# Altium PCB vme64x6U_ctrlc.PcbDoc (part 12 of 18) (continued)
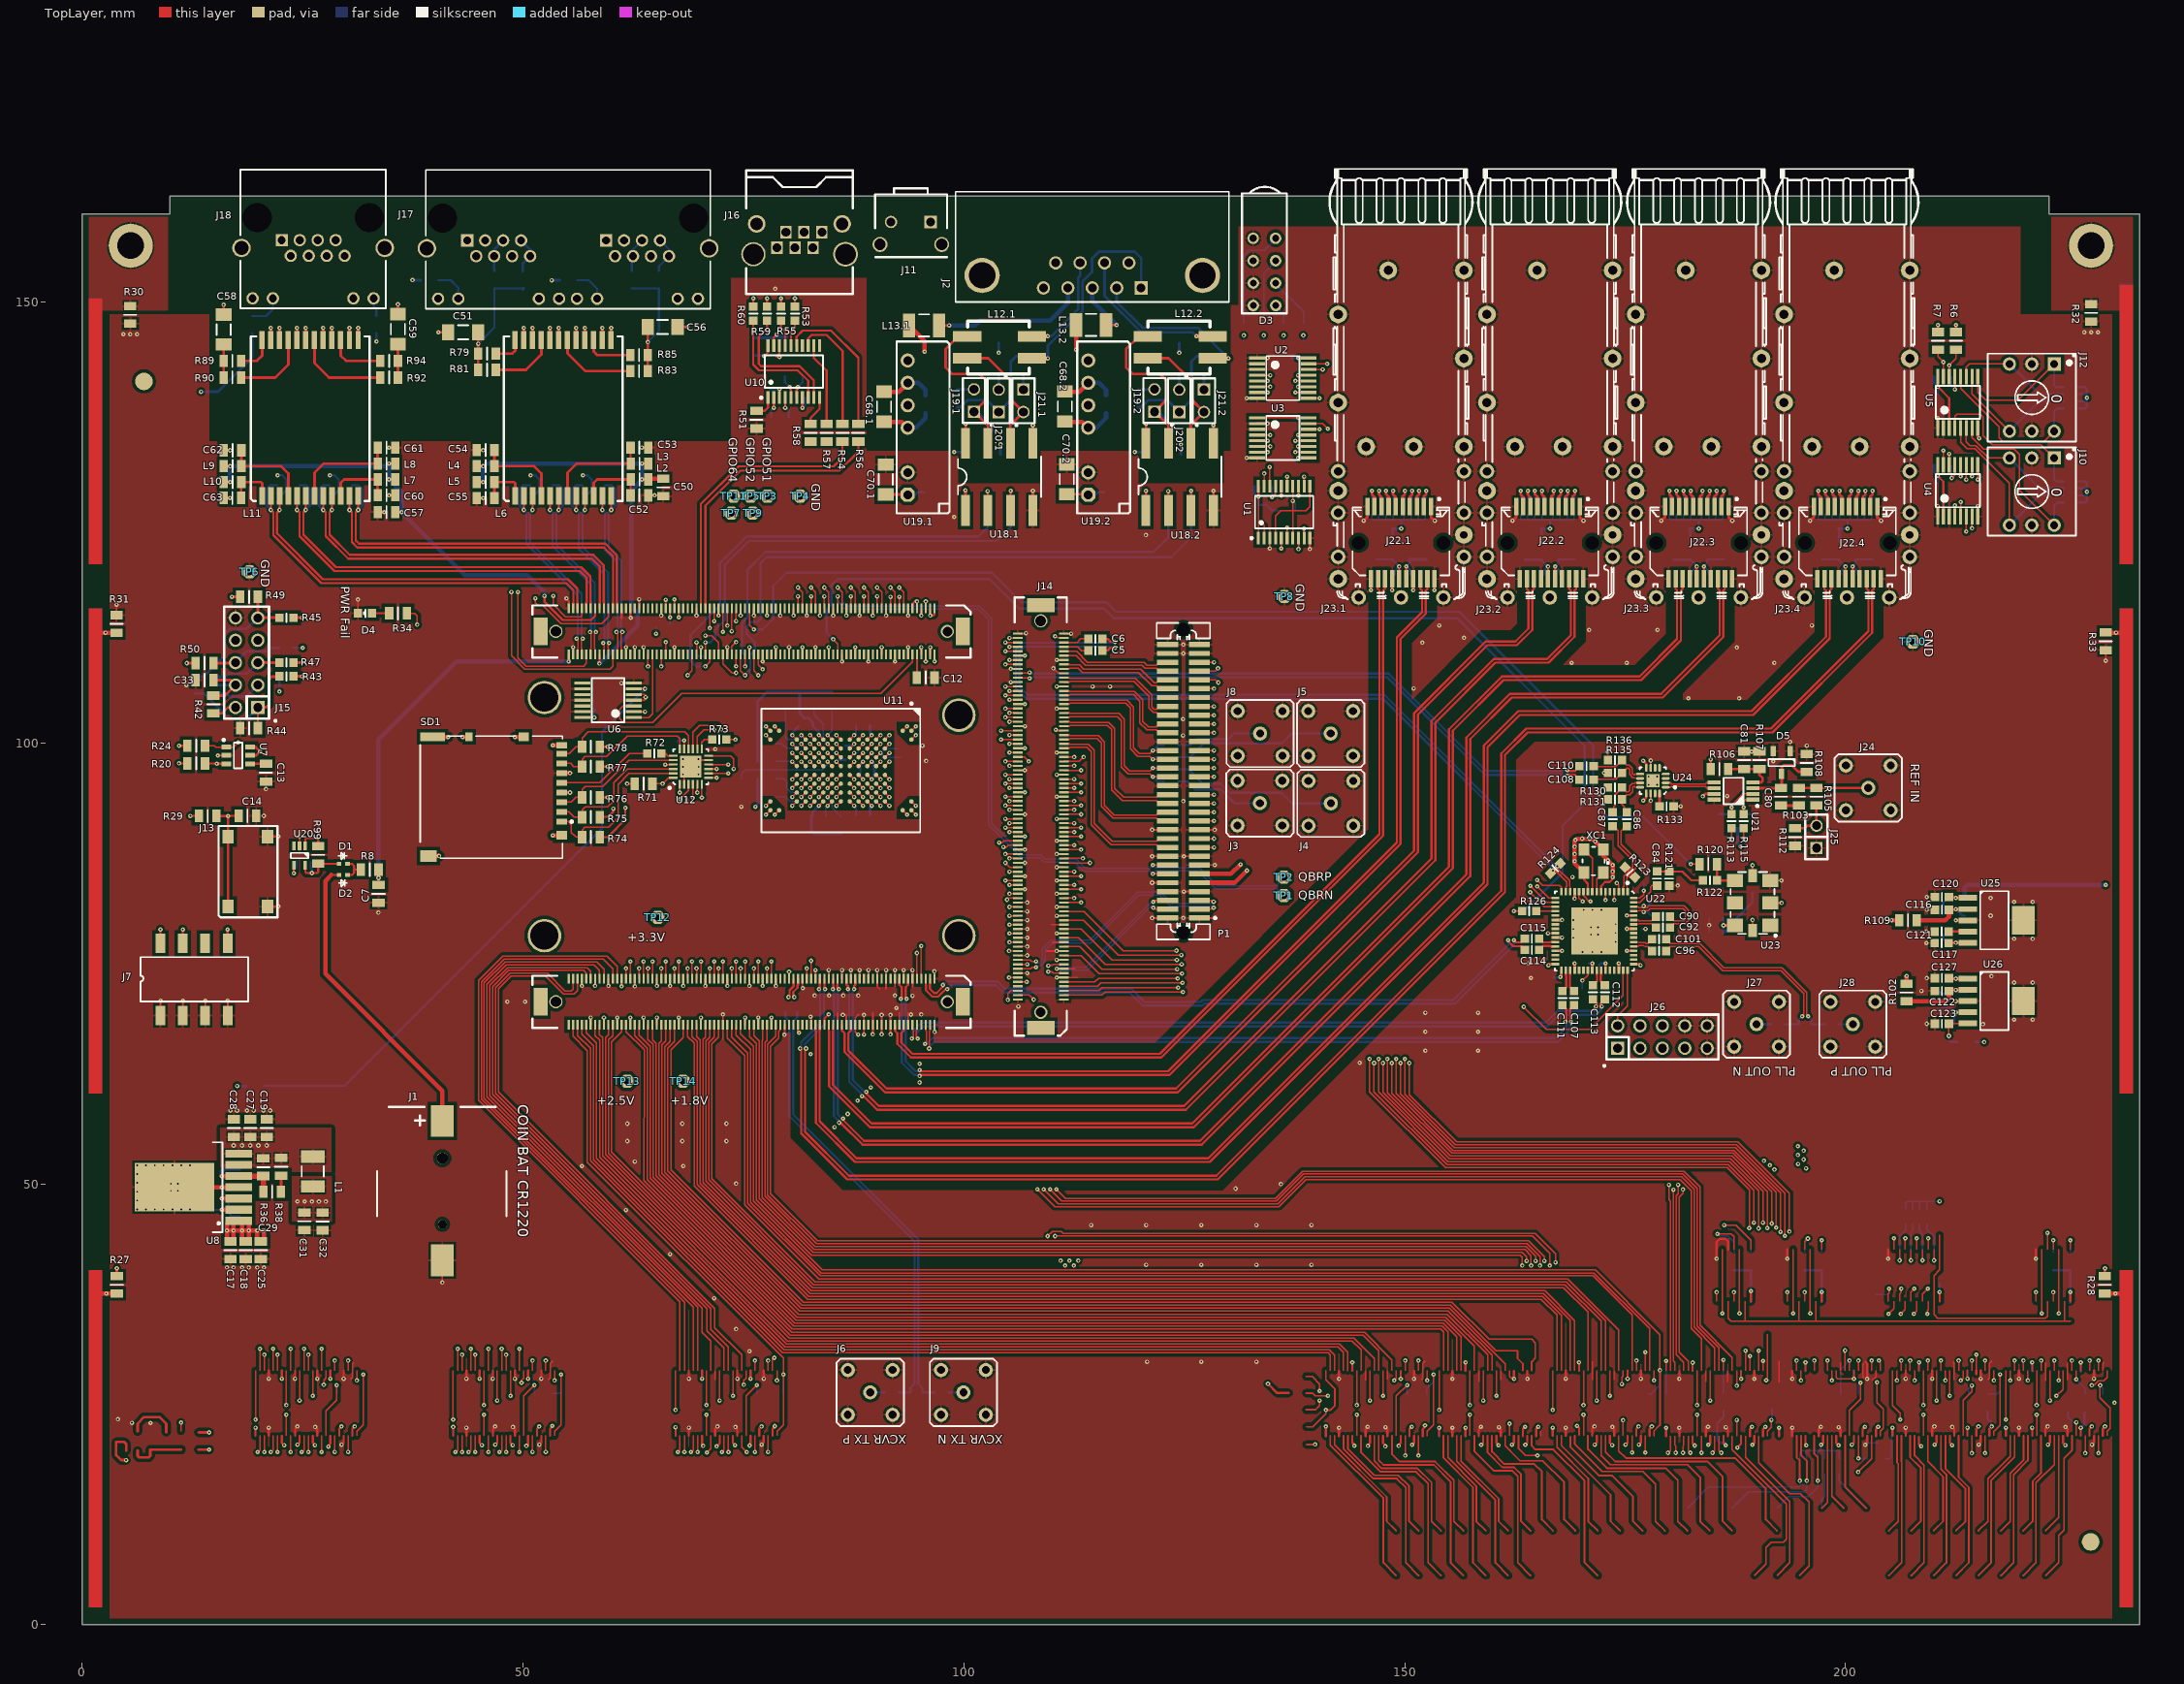
[diagram p0: TopLayer view]
## Components (designator, comment, footprint, x,y, rotation, side; value= is the part's Value field where it differs from the comment) (continued)
U19.2 "AM1D-0505S-N" SIP-7 114.099,128.135 r90 top (schematic designator U19)
U20 "TPS79733DCK" SOT65P210X110-5N 24.65,87.225 r270 top
U21 "ADCMP553BRMZ" SOP65P490X110-8N 187.3,94.55 r180 top
U22 "Si5395A-A-GM" QFN50P900X900X100-65N-S530 171.525,78.675 r270 top value=Si5395A
U23 "570CBC000306DG" FP-57x-MFG 189.45,81.85 r180 top value=Si570
U24 "ADCLK925BCPZ" QFN50P300X300X100-17N-S150 178.15,95.725 r180 top
U25 "REG104GA-3.3" SOT223 216.875,79.883 r0 top
U26 "REG104GA-A" SOT223 216.875,70.725 r0 top
XC1 "CX3225SB48000D0WPSC1" SMD3225_4PIN_XTAL 171.425,86.6 r90 top value="48 MHz"

## Footprints (in the part's own frame and the unit in brackets; to place one, negate y for a bottom-side part, rotate by r counter-clockwise, add the part's x,y. Pads: shape width x height; smd on the part's side, far side on the other; paste and mask are expansions set on the pad)
AMPH-RJHSE-5381-02_V [mm]
  rect 1.4x1.4 hole 0.9 mask+0.102: 1A(3.56,-0.89) 1B(19.31,-0.89)
  round 1.4 hole 0.9 mask+0.102: 2A(2.54,0.89) 2B(18.29,0.89) 3A(1.52,-0.89) 3B(17.27,-0.89) 4A(0.5,0.89) 4B(16.25,0.89) 5A(-0.52,-0.89) 5B(15.23,-0.89) 6A(-1.54,0.89) 6B(14.21,0.89) 7A(-2.56,-0.89) 7B(13.19,-0.89) 8A(-3.58,0.89) 8B(12.17,0.89) 9A(6.86,5.72) 9B(22.61,5.72) 10A(4.57,5.72) 10B(20.32,5.72) 11A(-4.57,5.72) 11B(11.18,5.72) 12A(-6.86,5.72) 12B(8.89,5.72)
  round 0 hole 3.3 unplated mask+0.102: MH1(-6.35,-3.43) MH2(22.1,-3.43)
  round 2.1 hole 1.6: S1(-8.13,0) S2(23.88,0)
  silkscreen extent -8.26,-8.89 24,6.86, body extent -9.87,-9.29 25.58,6.84, height 15.16
AMPH-RJHSE-5381_V [mm]
  rect 1.4x1.4 hole 0.9 mask+0.102: 1(3.56,-0.89)
  round 1.4 hole 0.9 mask+0.102: 2(2.54,0.89) 3(1.52,-0.89) 4(0.5,0.89) 5(-0.52,-0.89) 6(-1.54,0.89) 7(-2.56,-0.89) 8(-3.58,0.89) 9(6.86,5.72) 10(4.57,5.72) 11(-4.57,5.72) 12(-6.86,5.72)
  round 0 hole 3.3 unplated mask+0.102: MH1(-6.35,-3.43) MH2(6.35,-3.43)
  round 2.1 hole 1.6: S1(-8.13,0) S2(8.13,0)
  silkscreen extent -8.26,-8.89 8.26,6.86, body extent -8.42,-9.14 8.42,7.06, height 14.89
BAT_CR1220 [mm] "2 Contacts - Pitch 2.54mm - Single Row Straight Strip Male Header"
  round 1 hole 1: 0(-3.5,0)
  round 1.3 hole 1.3: 0(4,0)
  rect 3.54x2.6 smd: 1(8.23,0)
  rect 3.66x2.6 smd: 2(-7.57,0)
  silkscreen extent -2.54,-7.27 9.84,7.39, body extent -8.9,-7.37 9.9,7.37, height 6.03
BGA100C100P10X17_1400X1800X120 [mm] "BGA 100 ball for e*MMC"
  round 0.5 smd: A1(0,0) A2(1,0) A9(8,0) A10(9,0) B1(0,-1) B10(9,-1) D2(1,-3) D3(2,-3) D4(3,-3) D5(4,-3) D6(5,-3) D7(6,-3) D8(7,-3) D9(8,-3) E2(1,-4) E3(2,-4) E4(3,-4) E5(4,-4) E6(5,-4) E7(6,-4) E8(7,-4) E9(8,-4) F2(1,-5) F3(2,-5) F4(3,-5) F5(4,-5) F6(5,-5) F7(6,-5) F8(7,-5) F9(8,-5) G2(1,-6) G3(2,-6) G4(3,-6) G5(4,-6) G6(5,-6) G7(6,-6) G8(7,-6) G9(8,-6) H2(1,-7) H3(2,-7) H4(3,-7) H5(4,-7) H6(5,-7) H7(6,-7) H8(7,-7) H9(8,-7) J2(1,-8) J3(2,-8) J4(3,-8) J5(4,-8) J6(5,-8) J7(6,-8) J8(7,-8) J9(8,-8) K2(1,-9) K3(2,-9) K4(3,-9) K5(4,-9) K6(5,-9) K7(6,-9) K8(7,-9) K9(8,-9) L2(1,-10) L3(2,-10) L4(3,-10) L5(4,-10) L6(5,-10) L7(6,-10) L8(7,-10) L9(8,-10) M2(1,-11) M3(2,-11) M4(3,-11) M5(4,-11) M6(5,-11) M7(6,-11) M8(7,-11) M9(8,-11) N2(1,-12) N3(2,-12) N4(3,-12) N5(4,-12) N6(5,-12) N7(6,-12) N8(7,-12) N9(8,-12) P2(1,-13) P3(2,-13) P4(3,-13) P5(4,-13) P6(5,-13) P7(6,-13) P8(7,-13) P9(8,-13) T1(0,-15) T10(9,-15) U1(0,-16) U2(1,-16) U9(8,-16) U10(9,-16)
  silkscreen extent -3.22,-17 11.5,1
CAPC1608N [mm]
  rect 0.95x0.95 smd: 1(-0.8,0) 2(0.8,0)
  silkscreen extent 0,-0.48 0,0.48, body extent -0.87,-0.47 0.88,0.48, height 0.85
CAPC2012N [mm] "Chip Capacitor, Body 2.0x1.25mm (0805), IPC Medium Density"
  rect 0.95x1.4 smd: 1(-1,0) 2(1,0)
  silkscreen extent 0,-0.7 0,0.7, body extent -1.05,-0.67 1.05,0.68, height 0.9
CAPC3216N [mm] "Chip Capacitor, Body 3.2x1.6mm (1206), IPC Medium Density"
  rect 1.4x1.8 smd: 1(-1.7,0) 2(1.7,0)
  silkscreen extent -0.6,-0.8 0.6,0.8, body extent -1.7,-0.9 1.7,0.9, height 1.52
CAY16-J4 [mm]
  rect 0.9x0.45 smd: 1(0,0) 2(0,-0.8) 3(0,-1.6) 4(0,-2.4) 5(1.7,-2.4) 6(1.7,-1.6) 7(1.7,-0.8) 8(1.7,0)
  silkscreen extent 0.67,-2.8 1.02,0.4
DIPSW4-A6SN8 [mm]
  rect 2.2x1.1 smd: 1(0,0) 2(0,-2.54) 3(0,-5.08) 4(0,-7.62) 5(8.2,-7.62) 6(8.2,-5.08) 7(8.2,-2.54) 8(8.2,0)
  silkscreen extent 1.59,-9.95 6.63,2.25, body extent -0.55,-9.95 8.75,2.15, height 5.5
DRB-9MA [mm]
  rect 1.5x1.5 hole 1: 1(0,0)
  round 1.5 hole 1: 2(-2.77,0) 3(-5.54,0) 4(-8.31,0) 5(-11.08,0) 6(-1.385,2.84) 7(-4.155,2.84) 8(-6.925,2.84) 9(-9.695,2.84)
  round 4 hole 3: S1(-18.04,1.42) S2(6.96,1.42)
  silkscreen extent -21.05,-1.6 9.95,10.92, body extent -21.16,-1.77 10.15,17.03, height 12.55
FP-57x-MFG [mm]
  rect 1.8x1.5 smd paste+0 mask+0: 1(-2,2.54) 2(-2,0) 3(-2,-2.54) 4(2,-2.54) 5(2,0) 6(2,2.54)
  rect 1x1.5 smd paste+0 mask+0: 7(0,3.1) 8(0,-3.1)
  silkscreen extent -2.73,-3.5 2.5,3.82, body extent -2.25,-2.68 2.25,2.68, height 0.25
IND_3225_MURATA_LQH_N [mm] "SMD Inductor, EIA 1206, Metric 3225,  Body Width 1.55mm, Body Lenght 3.2mm, Height 2.5mm"
  rect 1.4x2.7 smd: 1(-1.7,0) 2(1.7,0)
  silkscreen extent -0.6,-1.25 0.6,1.25, body extent -1.75,-1.25 1.75,1.25, height 2.2
INDC2012N [mm] "Chip Inductor, EIA 0805, Metric 2012, Body 2.0x1.2mm, IPC Medium Density"
  rect 0.95x1.4 smd: 1(-1,0) 2(1,0)
  silkscreen extent 0,-0.7 0,0.7, body extent -1,-0.62 1,0.63, height 1.1
LED_H485C [mm] "Quad Led Holder, Led 1.8mm dia"
  round 1.3 hole 0.8: 1(3.82,-5.08) 2(1.28,-5.08) 3(3.825,-7.62) 4(1.285,-7.62) 5(3.83,-10.16) 6(1.29,-10.16) 7(3.835,-12.7) 8(1.295,-12.7)
  silkscreen extent 0,-13.6 5.1,0.76, body extent 0,-13.6 5.1,0, height 11.3
LEDC1608N [mm] "Chip Capacitor, Body 1.6x0.8mm (0603), IPC Medium Density"
  rect 0.95x0.95 smd: 1(-0.8,0) 2(0.8,0)
  silkscreen extent -0.1,-0.43 0.08,0.43, body extent -0.83,-0.35 0.83,0.38, height 0.68
LEMO_EPA.00.250.NTN [mm] "50 Ohm size 00 Coaxial Straight socket"
  round 1.6 hole 0.9: 1(0,0) 2(-2.54,2.54) 2(-2.54,-2.54) 2(2.54,2.54) 2(2.54,-2.54)
  silkscreen extent -3.81,-3.81 3.81,3.81, body extent -3.5,-3.5 3.5,3.5, height 14
Mercury_SA2p [mm]
  rect 3.1x1.6 smd: 0(4.2,50.95) 0(4.2,3.05)
  round 1.5 hole 1.1: 0(4.2,49.2) 0(14.8,48) 0(14.8,6)
  round 1.5 hole 1.2: 0(4.2,4.8) 0(59.2,48) 0(59.2,6)
  rect 1.6x3.1 smd: 0(13.05,48) 0(13.05,6) 0(60.95,48) 0(60.95,6)
  round 3.8 hole 3.2: 0(13.5,40.5) 0(13.5,15.5) 0(60.5,13.5) 0(60.5,40.5)
  rect 0.25x1.1 smd: A1(16.25,3.4) A2(16.25,8.6) A3(16.75,3.4) A4(16.75,8.6) A5(17.25,3.4) A6(17.25,8.6) A7(17.75,3.4) A8(17.75,8.6) A9(18.25,3.4) A10(18.25,8.6) A11(18.75,3.4) A12(18.75,8.6) A13(19.25,3.4) A14(19.25,8.6) A15(19.75,3.4) A16(19.75,8.6) A17(20.25,3.4) A18(20.25,8.6) A19(20.75,3.4) A20(20.75,8.6) A21(21.25,3.4) A22(21.25,8.6) A23(21.75,3.4) A24(21.75,8.6) A25(22.25,3.4) A26(22.25,8.6) A27(22.75,3.4) A28(22.75,8.6) A29(23.25,3.4) A30(23.25,8.6) A31(23.75,3.4) A32(23.75,8.6) A33(24.25,3.4) A34(24.25,8.6) A35(24.75,3.4) A36(24.75,8.6) A37(25.25,3.4) A38(25.25,8.6) A39(25.75,3.4) A40(25.75,8.6) A41(26.25,3.4) A42(26.25,8.6) A43(26.75,3.4) A44(26.75,8.6) A45(27.25,3.4) A46(27.25,8.6) A47(27.75,3.4) A48(27.75,8.6) A49(28.25,3.4) A50(28.25,8.6) A51(28.75,3.4) A52(28.75,8.6) A53(29.25,3.4) A54(29.25,8.6) A55(29.75,3.4) A56(29.75,8.6) A57(30.25,3.4) A58(30.25,8.6) A59(30.75,3.4) A60(30.75,8.6) A61(31.25,3.4) A62(31.25,8.6) A63(31.75,3.4) A64(31.75,8.6) A65(32.25,3.4) A66(32.25,8.6) A67(32.75,3.4) A68(32.75,8.6) A69(33.25,3.4) A70(33.25,8.6) A71(33.75,3.4) A72(33.75,8.6) A73(34.25,3.4) A74(34.25,8.6) A75(34.75,3.4) A76(34.75,8.6) A77(35.25,3.4) A78(35.25,8.6) A79(35.75,3.4) A80(35.75,8.6) A81(36.25,3.4) A82(36.25,8.6) A83(36.75,3.4) A84(36.75,8.6) A85(37.25,3.4) A86(37.25,8.6) A87(37.75,3.4) A88(37.75,8.6) A89(38.25,3.4) A90(38.25,8.6) A91(38.75,3.4) A92(38.75,8.6) A93(39.25,3.4) A94(39.25,8.6) A95(39.75,3.4) A96(39.75,8.6) A97(40.25,3.4) A98(40.25,8.6) A99(40.75,3.4) A100(40.75,8.6) A101(41.25,3.4) A102(41.25,8.6) A103(41.75,3.4) A104(41.75,8.6) A105(42.25,3.4) A106(42.25,8.6) A107(42.75,3.4) A108(42.75,8.6) A109(43.25,3.4) A110(43.25,8.6) A111(43.75,3.4) A112(43.75,8.6) A113(44.25,3.4) A114(44.25,8.6) A115(44.75,3.4) A116(44.75,8.6) A117(45.25,3.4) A118(45.25,8.6) A119(45.75,3.4) A120(45.75,8.6) A121(46.25,3.4) A122(46.25,8.6) A123(46.75,3.4) A124(46.75,8.6) A125(47.25,3.4) A126(47.25,8.6) A127(47.75,3.4) A128(47.75,8.6) A129(48.25,3.4) A130(48.25,8.6) A131(48.75,3.4) A132(48.75,8.6) A133(49.25,3.4) A134(49.25,8.6) A135(49.75,3.4) A136(49.75,8.6) A137(50.25,3.4) A138(50.25,8.6) A139(50.75,3.4) A140(50.75,8.6) A141(51.25,3.4) A142(51.25,8.6) A143(51.75,3.4) A144(51.75,8.6) A145(52.25,3.4) A146(52.25,8.6) A147(52.75,3.4) A148(52.75,8.6) A149(53.25,3.4) A150(53.25,8.6) A151(53.75,3.4) A152(53.75,8.6) A153(54.25,3.4) A154(54.25,8.6) A155(54.75,3.4) A156(54.75,8.6) A157(55.25,3.4) A158(55.25,8.6) A159(55.75,3.4) A160(55.75,8.6) A161(56.25,3.4) A162(56.25,8.6) A163(56.75,3.4) A164(56.75,8.6) A165(57.25,3.4) A166(57.25,8.6) A167(57.75,3.4) A168(57.75,8.6) B1(16.25,45.4) B2(16.25,50.6) B3(16.75,45.4) B4(16.75,50.6) B5(17.25,45.4) B6(17.25,50.6) B7(17.75,45.4) B8(17.75,50.6) B9(18.25,45.4) B10(18.25,50.6) B11(18.75,45.4) B12(18.75,50.6) B13(19.25,45.4) B14(19.25,50.6) B15(19.75,45.4) B16(19.75,50.6) B17(20.25,45.4) B18(20.25,50.6) B19(20.75,45.4) B20(20.75,50.6) B21(21.25,45.4) B22(21.25,50.6) B23(21.75,45.4) B24(21.75,50.6) B25(22.25,45.4) B26(22.25,50.6) B27(22.75,45.4) B28(22.75,50.6) B29(23.25,45.4) B30(23.25,50.6) B31(23.75,45.4) B32(23.75,50.6) B33(24.25,45.4) B34(24.25,50.6) B35(24.75,45.4) B36(24.75,50.6) B37(25.25,45.4) B38(25.25,50.6) B39(25.75,45.4) B40(25.75,50.6) B41(26.25,45.4) B42(26.25,50.6) B43(26.75,45.4) B44(26.75,50.6) B45(27.25,45.4) B46(27.25,50.6) B47(27.75,45.4) B48(27.75,50.6) B49(28.25,45.4) B50(28.25,50.6) B51(28.75,45.4) B52(28.75,50.6) B53(29.25,45.4) B54(29.25,50.6) B55(29.75,45.4) B56(29.75,50.6) B57(30.25,45.4) B58(30.25,50.6) B59(30.75,45.4) B60(30.75,50.6) B61(31.25,45.4) B62(31.25,50.6) B63(31.75,45.4) B64(31.75,50.6) B65(32.25,45.4) B66(32.25,50.6) B67(32.75,45.4) B68(32.75,50.6) B69(33.25,45.4) B70(33.25,50.6) B71(33.75,45.4) B72(33.75,50.6) B73(34.25,45.4) B74(34.25,50.6) B75(34.75,45.4) B76(34.75,50.6) B77(35.25,45.4) B78(35.25,50.6) B79(35.75,45.4) B80(35.75,50.6) B81(36.25,45.4) B82(36.25,50.6) B83(36.75,45.4) B84(36.75,50.6) B85(37.25,45.4) B86(37.25,50.6) B87(37.75,45.4) B88(37.75,50.6) B89(38.25,45.4) B90(38.25,50.6) B91(38.75,45.4) B92(38.75,50.6) B93(39.25,45.4) B94(39.25,50.6) B95(39.75,45.4) B96(39.75,50.6) B97(40.25,45.4) B98(40.25,50.6) B99(40.75,45.4) B100(40.75,50.6) B101(41.25,45.4) B102(41.25,50.6) B103(41.75,45.4) B104(41.75,50.6) B105(42.25,45.4) B106(42.25,50.6) B107(42.75,45.4) B108(42.75,50.6) B109(43.25,45.4) B110(43.25,50.6) B111(43.75,45.4) B112(43.75,50.6) B113(44.25,45.4) B114(44.25,50.6) B115(44.75,45.4) B116(44.75,50.6) B117(45.25,45.4) B118(45.25,50.6) B119(45.75,45.4) B120(45.75,50.6) B121(46.25,45.4) B122(46.25,50.6) B123(46.75,45.4) B124(46.75,50.6) B125(47.25,45.4) B126(47.25,50.6) B127(47.75,45.4) B128(47.75,50.6) B129(48.25,45.4) B130(48.25,50.6) B131(48.75,45.4) B132(48.75,50.6) B133(49.25,45.4) B134(49.25,50.6) B135(49.75,45.4) B136(49.75,50.6) B137(50.25,45.4) B138(50.25,50.6) B139(50.75,45.4) B140(50.75,50.6) B141(51.25,45.4) B142(51.25,50.6) B143(51.75,45.4) B144(51.75,50.6) B145(52.25,45.4) B146(52.25,50.6) B147(52.75,45.4) B148(52.75,50.6) B149(53.25,45.4) B150(53.25,50.6) B151(53.75,45.4) B152(53.75,50.6) B153(54.25,45.4) B154(54.25,50.6) B155(54.75,45.4) B156(54.75,50.6) B157(55.25,45.4) B158(55.25,50.6) B159(55.75,45.4) B160(55.75,50.6) B161(56.25,45.4) B162(56.25,50.6) B163(56.75,45.4) B164(56.75,50.6) B165(57.25,45.4) B166(57.25,50.6) B167(57.75,45.4) B168(57.75,50.6)
  rect 1.1x0.25 smd: C1(1.6,47.75) C2(6.8,47.75) C3(1.6,47.25) C4(6.8,47.25) C5(1.6,46.75) C6(6.8,46.75) C7(1.6,46.25) C8(6.8,46.25) C9(1.6,45.75) C10(6.8,45.75) C11(1.6,45.25) C12(6.8,45.25) C13(1.6,44.75) C14(6.8,44.75) C15(1.6,44.25) C16(6.8,44.25) C17(1.6,43.75) C18(6.8,43.75) C19(1.6,43.25) C20(6.8,43.25) C21(1.6,42.75) C22(6.8,42.75) C23(1.6,42.25) C24(6.8,42.25) C25(1.6,41.75) C26(6.8,41.75) C27(1.6,41.25) C28(6.8,41.25) C29(1.6,40.75) C30(6.8,40.75) C31(1.6,40.25) C32(6.8,40.25) C33(1.6,39.75) C34(6.8,39.75) C35(1.6,39.25) C36(6.8,39.25) C37(1.6,38.75) C38(6.8,38.75) C39(1.6,38.25) C40(6.8,38.25) C41(1.6,37.75) C42(6.8,37.75) C43(1.6,37.25) C44(6.8,37.25) C45(1.6,36.75) C46(6.8,36.75) C47(1.6,36.25) C48(6.8,36.25) C49(1.6,35.75) C50(6.8,35.75) C51(1.6,35.25) C52(6.8,35.25) C53(1.6,34.75) C54(6.8,34.75) C55(1.6,34.25) C56(6.8,34.25) C57(1.6,33.75) C58(6.8,33.75) C59(1.6,33.25) C60(6.8,33.25) C61(1.6,32.75) C62(6.8,32.75) C63(1.6,32.25) C64(6.8,32.25) C65(1.6,31.75) C66(6.8,31.75) C67(1.6,31.25) C68(6.8,31.25) C69(1.6,30.75) C70(6.8,30.75) C71(1.6,30.25) C72(6.8,30.25) C73(1.6,29.75) C74(6.8,29.75) C75(1.6,29.25) C76(6.8,29.25) C77(1.6,28.75) C78(6.8,28.75) C79(1.6,28.25) C80(6.8,28.25) C81(1.6,27.75) C82(6.8,27.75) C83(1.6,27.25) C84(6.8,27.25) C85(1.6,26.75) C86(6.8,26.75) C87(1.6,26.25) C88(6.8,26.25) C89(1.6,25.75) C90(6.8,25.75) C91(1.6,25.25) C92(6.8,25.25) C93(1.6,24.75) C94(6.8,24.75) C95(1.6,24.25) C96(6.8,24.25) C97(1.6,23.75) C98(6.8,23.75) C99(1.6,23.25) C100(6.8,23.25) C101(1.6,22.75) C102(6.8,22.75) C103(1.6,22.25) C104(6.8,22.25) C105(1.6,21.75) C106(6.8,21.75) C107(1.6,21.25) C108(6.8,21.25) C109(1.6,20.75) C110(6.8,20.75) C111(1.6,20.25) C112(6.8,20.25) C113(1.6,19.75) C114(6.8,19.75) C115(1.6,19.25) C116(6.8,19.25) C117(1.6,18.75) C118(6.8,18.75) C119(1.6,18.25) C120(6.8,18.25) C121(1.6,17.75) C122(6.8,17.75) C123(1.6,17.25) C124(6.8,17.25) C125(1.6,16.75) C126(6.8,16.75) C127(1.6,16.25) C128(6.8,16.25) C129(1.6,15.75) C130(6.8,15.75) C131(1.6,15.25) C132(6.8,15.25) C133(1.6,14.75) C134(6.8,14.75) C135(1.6,14.25) C136(6.8,14.25) C137(1.6,13.75) C138(6.8,13.75) C139(1.6,13.25) C140(6.8,13.25) C141(1.6,12.75) C142(6.8,12.75) C143(1.6,12.25) C144(6.8,12.25) C145(1.6,11.75) C146(6.8,11.75) C147(1.6,11.25) C148(6.8,11.25) C149(1.6,10.75) C150(6.8,10.75) C151(1.6,10.25) C152(6.8,10.25) C153(1.6,9.75) C154(6.8,9.75) C155(1.6,9.25) C156(6.8,9.25) C157(1.6,8.75) C158(6.8,8.75) C159(1.6,8.25) C160(6.8,8.25) C161(1.6,7.75) C162(6.8,7.75) C163(1.6,7.25) C164(6.8,7.25) C165(1.6,6.75) C166(6.8,6.75) C167(1.6,6.25) C168(6.8,6.25)
  silkscreen extent 1.25,2.15 61.85,51.85, body extent 0.1,0 73.9,54, height 10.01
MOLEX_74441-0001 [mm] "20 Position, Pitch 0.8mm SFP+ Receptacle (Small Form-factor Pluggable)"
  rect 2x0.5 smd: 1(-4.1,3.395) 2(-4.1,2.595) 3(-4.1,1.795) 4(-4.1,0.995) 5(-4.1,0.195) 6(-4.1,-0.605) 7(-4.1,-1.405) 8(-4.1,-2.205) 9(-4.1,-3.005) 10(-4.1,-3.805) 11(4.1,-3.405) 12(4.1,-2.605) 13(4.1,-1.805) 14(4.1,-1.005) 15(4.1,-0.205) 16(4.1,0.595) 17(4.1,1.395) 18(4.1,2.195) 19(4.1,2.995) 20(4.1,3.795)
  round 0.5 hole 1.55 unplated mask+0.525: MTG1(0,4.795) MTG2(0,-4.805)
  silkscreen extent -5.08,-5.51 3.7,5.5, body extent -4.54,-5.5 4.61,5.5, height 5.37
MOLEX_74737-0111 [mm] "SFP+ 1x1 Cage"
  round 2 hole 1.05: 1(-30.9,7.125) 2(-20.9,7.125) 3(-10.9,7.125) 4(-10.9,1.445) 5(-30.9,-1.455) 6(-10.9,-3.955) 7(-25.9,-7.125) 8(-15.9,-7.125) 9(-5.9,-7.125) 10(4.1,-7.125)
  round 1.65 hole 0.95: 11(-8.1,7.125) 12(-3.4,7.125) 13(1.6,7.125) 14(6.2,4.8) 15(6.2,0) 16(6.2,-4.8) 17(-8.1,-7.125) 18(-3.4,-7.125) 19(1.6,-7.125)
  round 2 hole 0.85: 20(-0.9,7.125)
  silkscreen extent -42.4,-8.15 6.4,8.15, body extent -42.4,-8.15 6.4,8.15, height 10.6
PLD-10 [mm] "10 Contacts - Pitch 2.54mm - Dual Row Straight Strip Header"
  rect 1.5x1.5 hole 1: 1(-5.08,-1.27)
  round 1.5 hole 1: 2(-5.08,1.27) 3(-2.54,-1.27) 4(-2.54,1.27) 5(0,-1.27) 6(0,1.27) 7(2.54,-1.27) 8(2.54,1.27) 9(5.08,-1.27) 10(5.08,1.27)
  silkscreen extent -6.68,-3.37 6.35,2.54, body extent -6.34,-2.53 6.36,2.55, height 8.48
PLS-2#1 [mm] "2 Contacts - Pitch 2.54mm - Single Row Straight Strip Male Header"
  rect 1.4x1.4 hole 1: 1(-1.27,0)
  round 1.4 hole 1: 2(1.27,0)
  silkscreen extent -2.87,-2.1 2.54,1.27, body extent -2.56,-1.26 2.52,1.28, height 8.48
PLS-2#2 [mm]
  rect 1.4x1.4 hole 1: 1(0,0)
  round 1.4 hole 1: 2(2.54,0)
  silkscreen extent -1.27,-1.27 3.81,1.27, body extent -1.27,-1.27 3.81,1.27, height 9.5
PTS645SL43SMTR92 [mm]
  rect 1.55x1.3 smd: 1(-3.975,2.25) 2(3.975,2.25) 3(-3.975,-2.25) 4(3.975,-2.25)
  silkscreen extent -5.2,-3.37 5.18,3.32, body extent -4.5,-3 4.5,3, height 4.3
PTS645VL582LFS [mm] "Tactile Switches SWITCH TACTILE"
  round 1.7 hole 1.3: 0(-3.5,2.55) 0(3.5,2.55)
  rect 1.4x1.4 hole 1: 1(-2.25,0)
  round 1.4 hole 1: 2(2.25,0)
  silkscreen extent -4.1,-3.8 4.05,4, body extent -4.11,-3.77 4.06,4.03, height 7.1
QFN50P300X300X100-17N-S150 [mm] "QFN, 0.50mm Pitch, Square; 4 pin X 4 pin, 3mm X 3mm X 1.00mm H Body (w/thermal tab 1.50 X 1.50mm), IPC Medium Density"
  oval 0.9x0.3 smd: 1(-1.45,0.75) 2(-1.45,0.25) 3(-1.45,-0.25) 4(-1.45,-0.75) 9(1.45,-0.75) 10(1.45,-0.25) 11(1.45,0.25) 12(1.45,0.75)
  oval 0.3x0.9 smd: 5(-0.75,-1.45) 6(-0.25,-1.45) 7(0.25,-1.45) 8(0.75,-1.45) 13(0.75,1.45) 14(0.25,1.45) 15(-0.25,1.45) 16(-0.75,1.45)
  rect 1.5x1.5 smd: 17(0,0)
  silkscreen extent -2.63,-1.5 1.5,1.5, body extent -1.57,-1.57 1.58,1.58, height 1
QFN50P400X400X80-25N-S245 [mm] "QFN, 0.50mm Pitch, Square; 6 Pin X 6 Pin, 4mm X 4mm Body (w/Thermal Tab 2.45 X 2.45 mm), IPC Medium Density"
  rect 1x0.25 smd: 1(-2,1.25) 2(-2,0.75) 3(-2,0.25) 4(-2,-0.25) 5(-2,-0.75) 6(-2,-1.25) 13(2,-1.25) 14(2,-0.75) 15(2,-0.25) 16(2,0.25) 17(2,0.75) 18(2,1.25)
  rect 0.25x1 smd: 7(-1.25,-2) 8(-0.75,-2) 9(-0.25,-2) 10(0.25,-2) 11(0.75,-2) 12(1.25,-2) 19(1.25,2) 20(0.75,2) 21(0.25,2) 22(-0.25,2) 23(-0.75,2) 24(-1.25,2)
  rect 2.45x2.45 smd: 25(0,0)
  silkscreen extent -2.52,-2 2,2.52, body extent -2.07,-2.07 2.08,2.08, height 0.8
QFN50P900X900X100-65N-S530 [mm]
  rect 0.85x0.3 smd: 1(-4.45,3.75) 2(-4.45,3.25) 3(-4.45,2.75) 4(-4.45,2.25) 5(-4.45,1.75) 6(-4.45,1.25) 7(-4.45,0.75) 8(-4.45,0.25) 9(-4.45,-0.25) 10(-4.45,-0.75) 11(-4.45,-1.25) 12(-4.45,-1.75) 13(-4.45,-2.25) 14(-4.45,-2.75) 15(-4.45,-3.25) 16(-4.45,-3.75) 33(4.45,-3.75) 34(4.45,-3.25) 35(4.45,-2.75) 36(4.45,-2.25) 37(4.45,-1.75) 38(4.45,-1.25) 39(4.45,-0.75) 40(4.45,-0.25) 41(4.45,0.25) 42(4.45,0.75) 43(4.45,1.25) 44(4.45,1.75) 45(4.45,2.25) 46(4.45,2.75) 47(4.45,3.25) 48(4.45,3.75)
  rect 0.3x0.85 smd: 17(-3.75,-4.45) 18(-3.25,-4.45) 19(-2.75,-4.45) 20(-2.25,-4.45) 21(-1.75,-4.45) 22(-1.25,-4.45) 23(-0.75,-4.45) 24(-0.25,-4.45) 25(0.25,-4.45) 26(0.75,-4.45) 27(1.25,-4.45) 28(1.75,-4.45) 29(2.25,-4.45) 30(2.75,-4.45) 31(3.25,-4.45) 32(3.75,-4.45) 49(3.75,4.45) 50(3.25,4.45) 51(2.75,4.45) 52(2.25,4.45) 53(1.75,4.45) 54(1.25,4.45) 55(0.75,4.45) 56(0.25,4.45) 57(-0.25,4.45) 58(-0.75,4.45) 59(-1.25,4.45) 60(-1.75,4.45) 61(-2.25,4.45) 62(-2.75,4.45) 63(-3.25,4.45) 64(-3.75,4.45)
  rect 5.3x5.3 smd: 65(0,0)
  silkscreen extent -5.57,-4.5 4.5,4.5, body extent -4.5,-4.5 4.5,4.5, height 1
RESC1608N [mm]
  rect 0.95x0.95 smd: 1(-0.8,0) 2(0.8,0)
  silkscreen extent 0,-0.47 0,0.48, body extent -0.87,-0.47 0.88,0.48, height 0.55
RESC2012N [mm]
  rect 0.95x1.4 smd: 1(-1,0) 2(1,0)
  silkscreen extent 0,-0.7 0,0.7, body extent -1.1,-0.67 1.1,0.68, height 0.6
RJ14 [mm]
  round 2.8 hole 2.4 paste+0: 0(-2.675,2.5)
  round 2 hole 1.4: 0(-2.3,-0.94) 0(7.4,-0.94)
  round 2.75 hole 2.4 paste+0: 0(7.775,2.5)
  rect 1.275x1.45 hole 1: 1(0,0) 2(1.02,1.78) 3(2.04,0) 4(3.06,1.775) 5(4.08,0) 6(5.1,1.78)
  silkscreen extent -3.5,-7 8.6,7, body extent -3.5,-7 8.6,7, height 11.53
SD_HRS-DM3AT-8_V [mm]
  rect 0.7x1.2 smd: 1(2.85,7.55) 2(1.75,7.55) 3(0.65,7.55) 4(-0.45,7.55) 5(-1.55,7.55) 6(-2.65,7.55) 7(-3.75,7.55) 8(-4.85,7.55) 10(-5.8,7.55)
  rect 1x0.8 smd: 9(-6.75,-2.95)
  rect 1x1.2 smd: 11(4.4,7.55) 14(-6.75,3.25)
  rect 1.3x1.9 smd: 12(6.75,-7.55)
  rect 1x2.8 smd: 13(-6.75,-7.1)
  silkscreen extent -6.85,-8.5 7,8.83, body extent -6.85,-8.5 7,7.65, height 1.68
SIP-7 [mm]
  oct 1.6x1.6 hole 1: 1(0,0)
  round 1.6 hole 1: 2(2.54,0) 4(7.62,0) 5(10.16,0) 6(12.7,0) 7(15.24,0)
  silkscreen extent -2.1,-4.75 17.37,1.25, body extent -2.15,-4.76 17.35,1.26, height 10
SMD3225_4PIN_XTAL [mm]
  rect 1.4x1.2 smd: 1(-1.3,-1.1) 2(1.3,-1.1) 3(1.3,1.1) 4(-1.3,1.1)
  silkscreen extent -1.6,-1.7 1.6,1.25, body extent -1.6,-1.25 1.6,1.25, height 0.55
SMD_B82790 [mm]
  rect 3.2x1.2 smd mask-1: 1(0,0) 2(7.35,0) 3(7.35,2.5) 4(0,2.5)
  silkscreen extent 0.3,-1.7 7.3,4.3, body extent -0.72,-1.75 8.27,4.25, height 5.11
SMD_HX508 [mm]
  rect 2x0.64 smd: 1(0,0) 2(0,-0.99) 3(0,-1.98) 4(0,-2.97) 5(0,-3.96) 6(0,-4.95) 7(0,-5.94) 8(0,-6.93) 9(0,-7.92) 10(0,-8.91) 11(0,-9.9) 12(0,-10.89)
  rect 2x0.6 smd: 13(17.7,-10.89) 14(17.7,-9.9) 15(17.7,-8.91) 16(17.7,-7.92) 17(17.7,-6.93) 18(17.7,-5.94) 19(17.7,-4.95) 20(17.7,-3.96) 21(17.7,-2.97) 22(17.7,-1.98) 23(17.7,-0.99) 24(17.7,0)
  silkscreen extent -0.58,-12.17 18.1,1.28, body extent -0.45,-12.03 17.97,1.12, height 6.12
SOD_923 [mm]
  rect 0.5x0.4 smd: 1(-0.48,0) 2(0.48,0)
  body extent -0.48,-0.3 0.52,0.3, height 0.4
SOP8 [mm]
  rect 3.5x1 smd: 1(-3.8,3.825) 2(-3.8,1.275) 3(-3.8,-1.275) 4(-3.8,-3.825) 5(3.8,-3.825) 6(3.8,-1.275) 7(3.8,1.275) 8(3.8,3.825)
  silkscreen extent -2.3,-4.75 2.3,4.67, body extent -3.47,-4.75 3.53,4.65, height 2
SOP65P490X110-8N [mm] "SOP, 0.65mm pitch; 8 pin, 3.00mm W X 3.00mm L X 1.10mm H body, IPC Medium Density"
  rect 1.5x0.45 smd: 1(-2.2,0.975) 2(-2.2,0.325) 3(-2.2,-0.325) 4(-2.2,-0.975) 5(2.2,-0.975) 6(2.2,-0.325) 7(2.2,0.325) 8(2.2,0.975)
  silkscreen extent -2.83,-1.5 1.12,1.82, body extent -2.45,-1.55 2.45,1.55, height 1.1
SOP65P640X110-14N [mm] "SOP, 14-Leads, Body 4.4x5mm (max), Pitch 0.65mm, IPC Medium Density"
  rect 1.78x0.35 smd: 1(-2.92,1.95) 2(-2.92,1.3) 3(-2.92,0.65) 4(-2.92,0) 5(-2.92,-0.65) 6(-2.92,-1.3) 7(-2.92,-1.95) 8(2.92,-1.95) 9(2.92,-1.3) 10(2.92,-0.65) 11(2.92,0) 12(2.92,0.65) 13(2.92,1.3) 14(2.92,1.95)
  silkscreen extent -1.85,-2.5 1.85,2.5, body extent -3.12,-2.55 3.12,2.55, height 1.1
SOP65P640X110-16N [mm] "SOP, 0.65mm pitch; 16 pin, 4.40mm W X 5.00mm L X 1.10mm H body IPC Medium Density"
  rect 1.78x0.35 smd: 1(-2.92,2.275) 2(-2.92,1.625) 3(-2.92,0.975) 4(-2.92,0.325) 5(-2.92,-0.325) 6(-2.92,-0.975) 7(-2.92,-1.625) 8(-2.92,-2.275) 9(2.92,-2.275) 10(2.92,-1.625) 11(2.92,-0.975) 12(2.92,-0.325) 13(2.92,0.325) 14(2.92,0.975) 15(2.92,1.625) 16(2.92,2.275)
  silkscreen extent -1.88,-2.5 1.88,2.5, body extent -3.12,-2.55 3.12,2.55, height 1.1
SOP65P640X110-20N [mm] "SOP, 20-Leads, Body 6.6x4.5mm (max), Pitch 0.65mm, IPC Medium Density"
  rect 1.45x0.35 smd: 1(-2.95,2.925) 2(-2.95,2.275) 3(-2.95,1.625) 4(-2.95,0.975) 5(-2.95,0.325) 6(-2.95,-0.325) 7(-2.95,-0.975) 8(-2.95,-1.625) 9(-2.95,-2.275) 10(-2.95,-2.925) 11(2.95,-2.925) 12(2.95,-2.275) 13(2.95,-1.625) 14(2.95,-0.975) 15(2.95,-0.325) 16(2.95,0.325) 17(2.95,0.975) 18(2.95,1.625) 19(2.95,2.275) 20(2.95,2.925)
  silkscreen extent -3.07,-3.3 1.85,3.82, body extent -3.12,-3.3 3.12,3.3, height 1.19
SOT65P210X110-5N [mm]
  rect 0.95x0.4 smd: 1(-1.1,0.65) 2(-1.1,0) 3(-1.1,-0.65) 4(1.1,-0.65) 5(1.1,0.65)
  silkscreen extent -0.3,-1 0.3,1, body extent -1.2,-1.1 1.2,1.1, height 1.1
SOT95P240X110-3N [mm] "SOT23 3-Leads, Pitch 0.95mm - Body 1.3x2.9mm, IPC Medium Density"
  rect 1.15x0.6 smd: 1(-1.3,0.95) 2(-1.3,-0.95) 3(1.3,0)
  silkscreen extent -1.52,-1.45 0.3,1.92, body extent -1.25,-1.5 1.25,1.5, height 1.1
SOT95P280X100-6N [mm] "SOT23, 0.95mm pitch; 6 pin, 1.625mm W X 2.90mm L X 1.00mm H body, IPC Medium Density"
  rect 1.1x0.55 smd: 1(-1.35,0.95) 2(-1.35,0) 3(-1.35,-0.95) 4(1.35,-0.95) 5(1.35,0) 6(1.35,0.95)
  silkscreen extent -1.77,-1.45 0.48,1.87, body extent -1.4,-1.5 1.4,1.5, height 1
SOT95P280X115-3N [mm] "SOT23, 0.95mm, pitch;3 pin,1.55mm W X 2.95mm L X 1.15mm H body, IPC Medium Density"
  rect 1.15x0.6 smd: 1(-1.3,0.95) 2(-1.3,-0.95) 3(1.3,0)
  silkscreen extent -0.4,-1.5 0.4,1.5, body extent -1.4,-1.5 1.6,1.5, height 1.15
SOT95P285X110-6N [mm]
  rect 1.05x0.55 smd: 1(-1.3,0.95) 2(-1.3,0) 3(-1.3,-0.95) 4(1.3,-0.95) 5(1.3,0) 6(1.3,0.95)
  silkscreen extent -1.77,-1.5 0.45,1.87, body extent -1.4,-1.5 1.48,1.5, height 1.1
SOT223 [mm] "SOT223, 6-Leads, Body 6.6x7.3mm (max), Pitch 1.27mm, IPC Medium Density"
  rect 2.6x3.2 smd: 0(3.3,0)
  rect 2.05x0.65 smd: 1(-3,2.54) 2(-3,1.27) 3(-3,0) 4(-3,-1.27) 5(-3,-2.54)
  silkscreen extent -1.6,-3.3 1.6,3.3, body extent -3.68,-3.27 3.68,3.28, height 1.8
SW_ECE_ERD116XSZ [mm] "Body 7.4x7.4mm SMT Hexadecimal Rotary Switches"
  rect 1.5x1.5 hole 0.9: 1(0,0)
  round 1.5 hole 0.9: 2(7.62,-5.08) 4(0,-5.08) 8(7.62,0) C1(0,-2.54) C2(7.62,-2.54)
  silkscreen extent -1.19,-7.54 8.81,2.46, body extent -1.13,-7.52 8.88,2.48, height 5.01
TEST_POINT [mm] "test point"
  oct 1.5x1.5 hole 0.8: 1(0,0)
TO-PMOD7 [mm] "TO-263, TO,1.27mm pitch;7 pin,14.10mm L X 8.64mm W X 4.64mm H body, IPC Medium Density"
  rect 9x5.5 smd: 0(1.25,0)
  rect 3x0.9 smd: 1(-6.05,3.81) 2(-6.05,2.54) 3(-6.05,1.27) 4(-6.05,0) 5(-6.05,-1.27) 6(-6.05,-2.54) 7(-6.05,-3.81)
  silkscreen extent -4.2,-5.1 -3.1,5.1, body extent -7.12,-5.08 7.23,5.08, height 4.57
TYCO_120521-1 [mm] "1mm Centerline, FH (IEEE 1386) Surface Mount, Stacking Board-to-Board Female Connectors"
  rect 0.6x2.4 smd: 1(1.7,-1.8) 2(1.7,1.8) 3(2.7,-1.8) 4(2.7,1.8) 5(3.7,-1.8) 6(3.7,1.8) 7(4.7,-1.8) 8(4.7,1.8) 9(5.7,-1.8) 10(5.7,1.8) 11(6.7,-1.8) 12(6.7,1.8) 13(7.7,-1.8) 14(7.7,1.8) 15(8.7,-1.8) 16(8.7,1.8) 17(9.7,-1.8) 18(9.7,1.8) 19(10.7,-1.8) 20(10.7,1.8) 21(11.7,-1.8) 22(11.7,1.8) 23(12.7,-1.8) 24(12.7,1.8) 25(13.7,-1.8) 26(13.7,1.8) 27(14.7,-1.8) 28(14.7,1.8) 29(15.7,-1.8) 30(15.7,1.8) 31(16.7,-1.8) 32(16.7,1.8) 33(17.7,-1.8) 34(17.7,1.8) 35(18.7,-1.8) 36(18.7,1.8) 37(19.7,-1.8) 38(19.7,1.8) 39(20.7,-1.8) 40(20.7,1.8) 41(21.7,-1.8) 42(21.7,1.8) 43(22.7,-1.8) 44(22.7,1.8) 45(23.7,-1.8) 46(23.7,1.8) 47(24.7,-1.8) 48(24.7,1.8) 49(25.7,-1.8) 50(25.7,1.8) 51(26.7,-1.8) 52(26.7,1.8) 53(27.7,-1.8) 54(27.7,1.8) 55(28.7,-1.8) 56(28.7,1.8) 57(29.7,-1.8) 58(29.7,1.8) 59(30.7,-1.8) 60(30.7,1.8) 61(31.7,-1.8) 62(31.7,1.8) 63(32.7,-1.8) 64(32.7,1.8)
  round 1 hole 1.5 unplated: 65(0,0) 66(34.4,0)
  silkscreen extent -0.75,-3.73 35.15,3.03, body extent -0.75,-3.02 35.15,3.03, height 5.4